# Altium PCB BeagleBone_Black_RevB4.PcbDoc (part 2 of 5)
Units mil, origin at the board's own origin, x right, y up, seen from the top; angles counter-clockwise.
Board outline 3401 x 2151 mil, 6 copper layers (TOP, LYR2_GND, LYR3, LYR4, LYR5_PWR, BOTTOM), stack 62 mil thick; 381 components, 310 nets, 1705 pads, 850 vias.
Unrouted connection lines stored in the file: 107.
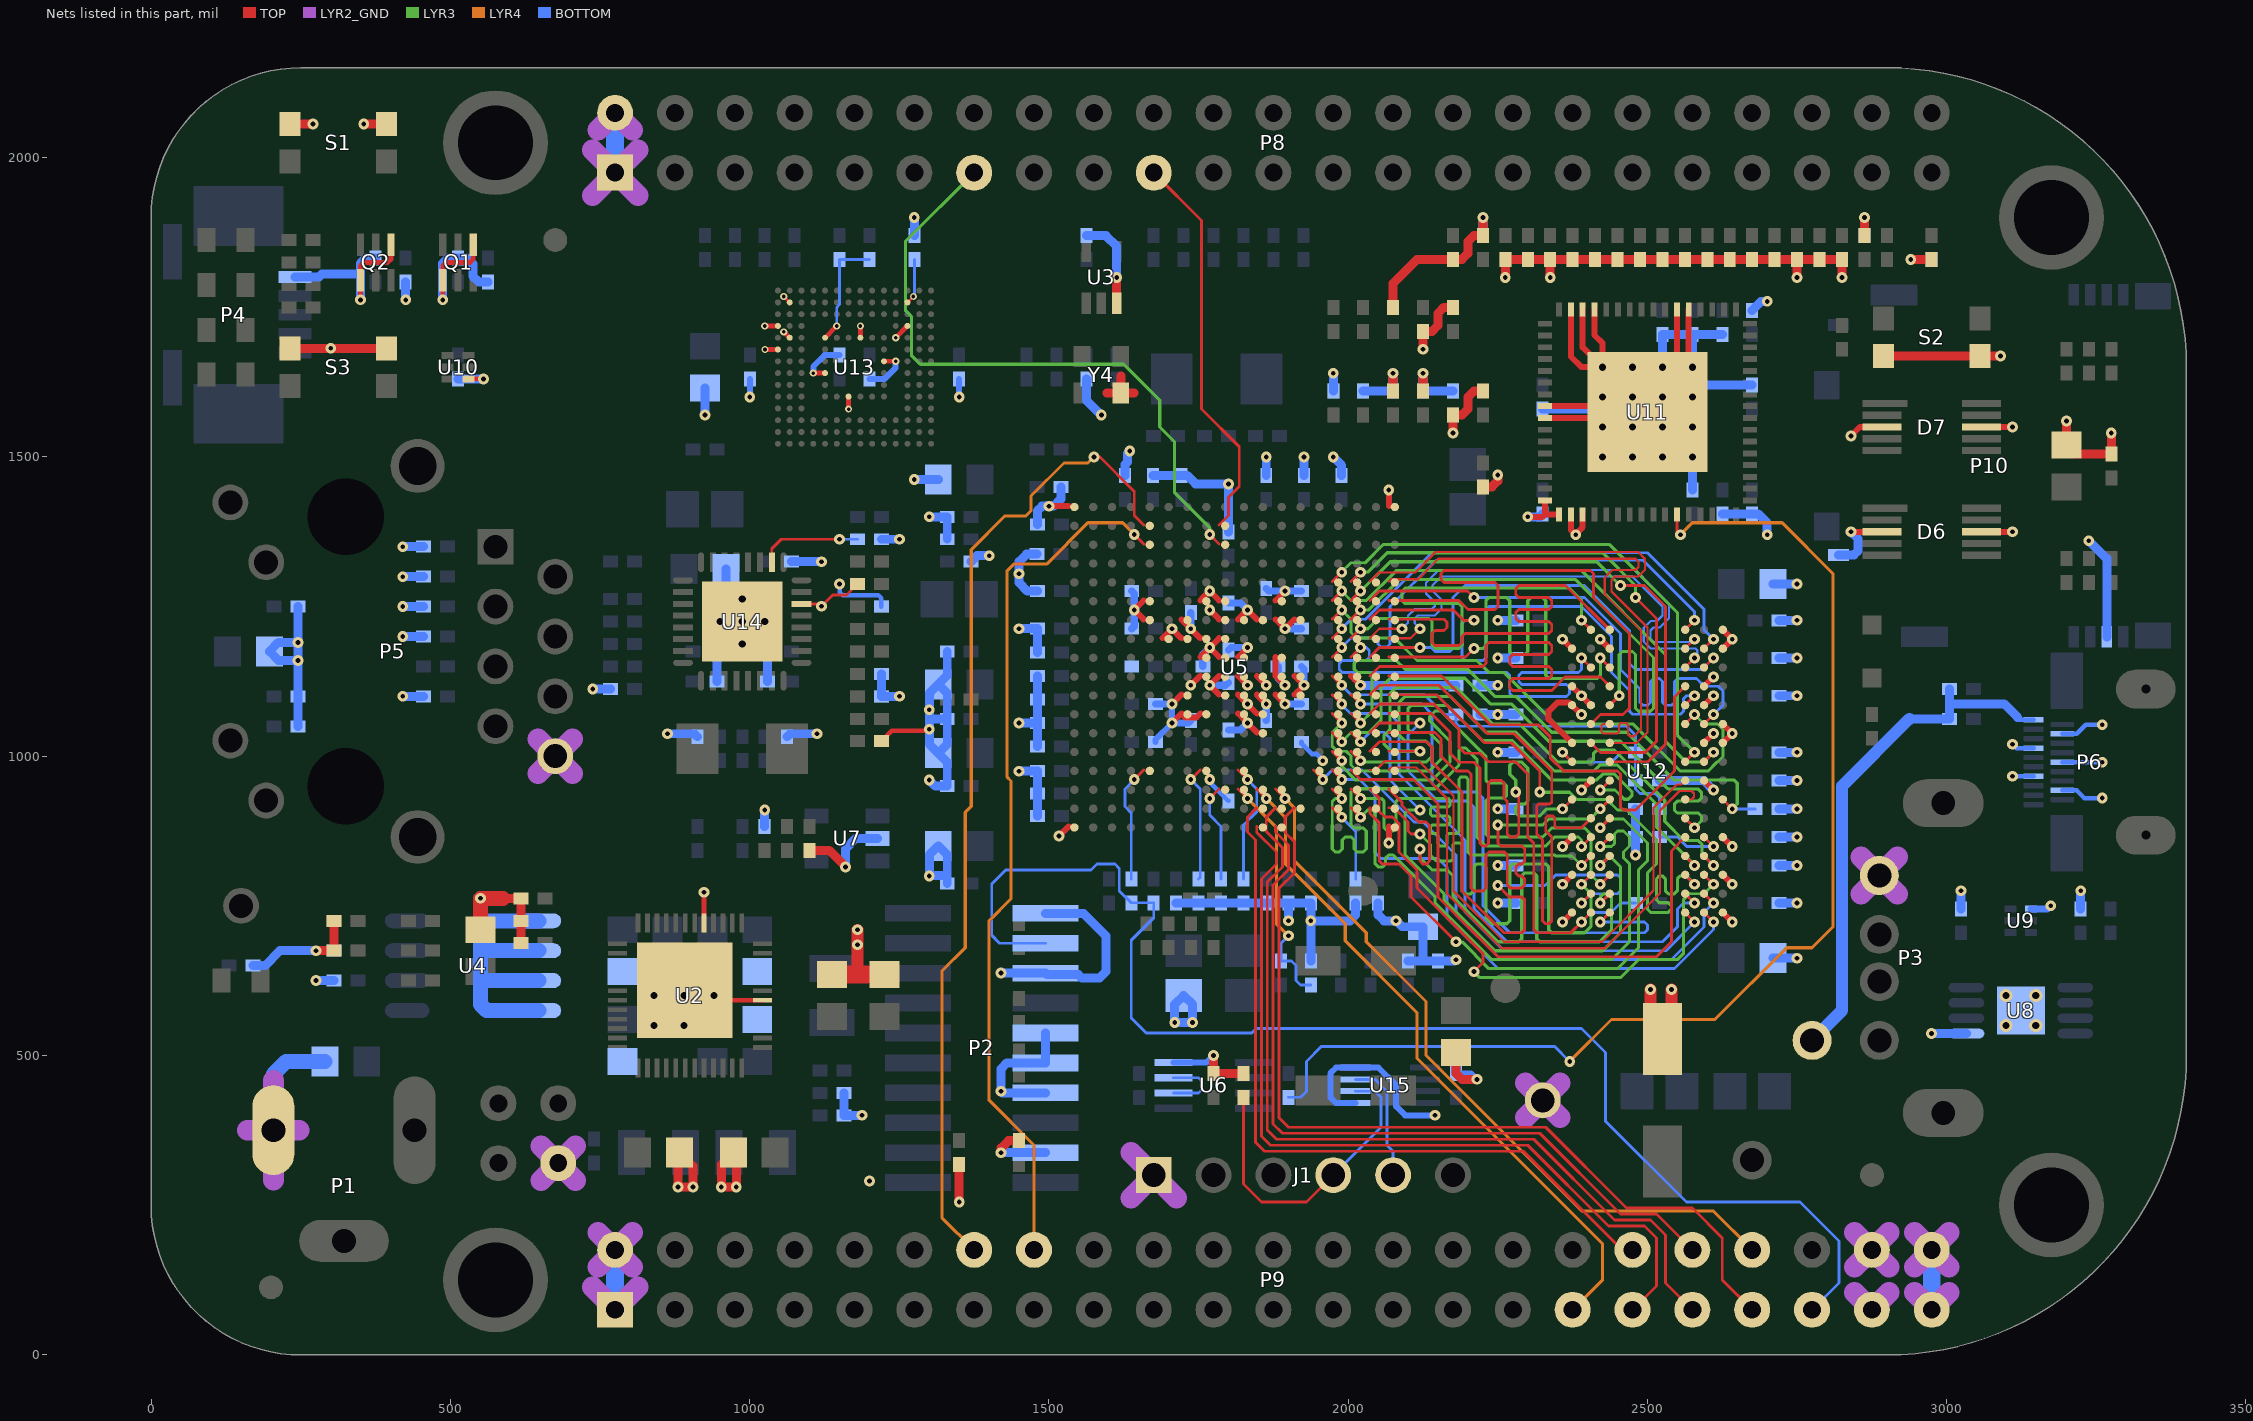
[diagram p6: the nets of this part, all layers, seen from the top]

## Part data
C1 C2 C118 C122 C126 C133: library part CAP_4.7uF_X5R_6.3V_10%_0603, "CAP CER 10UF 10V Y5V 0805"
C3: library part CAP_10uF_Y5V_10V_10%_0805, "CAP CER 0.1UF 6.3V 10% X5R 0402"
C4 C7 C8 C9 C10 C11 C12 C13 C14 C15 C39 C40 C55 C62 C77 C95 C96 C153: library part CAP_10uF_Y5V_10V_10%_0805, "CAP CER 10UF 10V Y5V 0805"
C16 C17 C18: library part CAP_2.2uF_X5R_6.3V_10%_0402, "CAP CER 2.2UF 6.3V 10% X5R 0402"
C19: library part CAP_2.2uF_X5R_6.3V_10%_0402, "CAP CER 470PF 50V 10% X7R 0402"
C20 C27 C28 C29 C30 C31 C33 C35 C36 C37 C38 C41 C42 C43 C44 C45 C46 C47 C48 C49 C50 C51 C52 C53 C54 C56 C57 C58 C59 C60 C61 C63 C64 C65 C66 C67 C68 C69 C70 C71 C72 C73 C74 C75 C76 C78 C79 C80 C81 C82 C83 C84 C85 C86 C87 C88 C92 C93 C94 C97 C98 C99 C100 C101 C102 C103 C105 C106 C131 C132 C135 C152 C154 C155 C158 C159: library part "CAP_0.1uF_X7R_16V_10% 0402", "CAP CER 0.1UF 6.3V 10% X5R 0402"
C21 C22 C25 C26: library part CAP_18PF_COG_50V_5%_0402, "CAP CER 18PF 50V 5% NP0 0402"
C24 C89 C90 C91 C104 C134: library part CAP_1.0UF_X5R_10V_10%_0402, "CAP CER 1UF 10V 10% X5R 0402"
C32: library part CAP_0.001_X7R_50V_5%_0402, "CAP CER 1000PF 16V 10% X7R 0402"
C34: library part "CAP SMD", "CAP ALUM 100UF 6.3V 20% SMD"
C107 C108 C109 C110 C111 C112 C113 C114 C115 C116 C117 C119 C120 C121 C124: library part CAP_0.01uf_X7R_16V_10%_0402, "CAP CER 0.1UF 6.3V 10% X5R 0402"
C123: library part "CAP SMD", "CAP CER 1000PF 16V 10% X7R 0402"
C125 C144 C146 C148 C151: library part "CAP SMD", "CAP CER 2.2UF 6.3V 10% X5R 0402"
C127 C128 C129 C130 C145 C147 C149 C150: library part "CAP SMD", "CAP CER 0.1UF 6.3V 10% X5R 0402"
C136: library part 470pF/5%/50V/C0G/0603_0, "CAP CER 470PF 50V 10% X7R 0402"
C137 C138 C139 C140: library part CAP_0402_100pF_COG_50V, "CAP CER 15PF 50V 5% NP0 0402"
C141: library part CAP_0402_0.1uf_X5R_10V, "CAP CER 0.022UF 10V 10% X7R 0402"
C142 C143: library part CAP_30PF_COG_50V_5%_0402, "CAP CER 30PF 50V 5% NP0 0402"
C156 C157 C160 C161 C162 C163 C164 C165 C166 C167 C168 C169 C170 C171 C172 C173: library part "CAP SMD", "CAP CER 47PF 50V 5% NP0 0402"
D1 D2 D3 D4 D5: library part LED_LTST-C150GKT, "LED GREEN CLEAR 0805 SMD"
D6 D7: library part 32CTQ030/TO_1, "DIODE ESD PROT HDMI 10TSSOP"
D8: library part Zener, "DIODE SCHOTTKY 40V 120MA SOD323"
FB1 FB2 FB3 FB4 FB7: library part FER_180_200_0, "FERRITE 800MA 150 OHM 0805 SMD"
FB5: library part IND, "FERRITE 800MA 150 OHM 0805 SMD"
FB8: library part FER_180_200_0, "RES .10 OHM 1/8W 5% 0805"
J1: library part HDR_6x1, "CONN HEADER 6POS, VERTICAL,  .100 STR TIN"
L1: library part IND_2.2uH_2.6A_10%_SMD, "Inductor 2.2uH smt 2.6A, 58 milliohm"
L2 L3: library part IND_2.2uH_2.6A_10%_SMD, "INDUCTOR 2.2UH 20% 1300MA 1008"
P1: library part Power_Jack, "CONN PWR JACK 2.1X5.5MM HIGH CUR"
P2: library part HDR_10x2_CJTAG, "Dual Line Header 10x2pin Tin"
P3: library part CONN_54819-0578_2, "CONN RCPT USB TYPE A R/A PCB"
P4: library part MINI-USB-AB-SOCKET, "CONN RCPT USB MINI B R/A SMD"
P5: library part CONN_RJ45_MAG_WE_0, "WE-RJ45 LAN Transformer"
P6: library part "Micro HDMI", "CONN HDMI RECPT 19POS SMT R/A"
P8 P9: library part HDR_46_F_2_0.1_0.1, "CONN HEADER FMAL 46PS.1\" DL GOLD"
P10: library part microSD_CONN_2, "CONN MICRO SD R/A PUSH-PUSH SMD"
Q1 Q2: library part RN1907, "TRANS PREBIASED DUAL NPN SOT363"
R1 R55 R56 R57 R58 R59 R60 R61 R62 R63 R64 R65 R66 R67 R68 R69 R70 R76 R77 R78 R79 R80 R81 R82 R83 R84 R85 R86 R87 R88 R89 R90 R91 R92 R93 R94 R95 R165: library part RES_100K_1/16W_1%_0402, "RES 100K OHM 1/16W 1% 0402 SMD"
R3 R4 R119: library part RES_1.5K_1/16W_5%_0402, "RES 1.50K OHM 1/16W 1% 0402 SMD"
R5 R6 R7 R8 R9 R19 R20 R27 R49 R50 R51 R137 R140 R142 R159 R160 R161 R162: library part RES_0_1/16W_1%_0402, "RES 0.0 OHM 1/16W 0402 SMD"
R10: library part RES_470_1/10W_5%_0402, "RES 470K OHM 1/16W 1% 0402 SMD"
R11: library part RES_470_1/10W_5%_0402, "RES 280K OHM 1/16W 1% 0402 SMD"
R12 R71 R72 R73 R74: library part RES_470_1/10W_5%_0402, "RES 820 OHM 1/10W 5% 0402 SMD"
R14 R54 R96 R98 R100 R101 R102 R103 R104 R105 R106 R107 R108 R109 R110 R111 R115 R116 R117 R118 R135 R145 R150 R151 R152 R153 R154 R155 R156 R157: library part RES_10K_1/16W_1%_0402, "RES 10K OHM 1/16W 5% 0402 SMD"
R17: library part RES_1M_1/16W_1%_0402, "Resistor 1Mohm 1/16W 1% 0402"
R18 R21 R28 R45 R46 R47 R48 R167: library part RES_33_0402, "RES 33 OHM 1/16W 5% 0402 SMD"
R22 R120 R121 R122 R123: library part RES_4.7K_0402, "RES 49.9 OHM 1/16W 1% 0402 SMD"
R23 R24 R25: library part RES_4.7K_0402, "RES 4.75K 1/16W 1% 0402 SMD"
R26 R163 R164: library part RES_4.75K_1/16W_1%_0402, "RES 4.75K OHM 1/16W 1% 0402 SMD"
R52 R53 R148 R158: library part "RES SMD", "RES 10K OHM 1/16W 5% 0402 SMD"
R75: library part "RES SMD", "RES 100 OHM 1/10W 5% 0402 SMD"
R97 R112 R113 R114: library part RES_10K_1/16W_1%_0402, "RES 1.50K OHM 1/16W 1% 0402 SMD"
R99: library part RES_10K_1/16W_1%_0402, "RES 240 OHM 1/10W 5% 0402 SMD"
R124: library part RES_10K_1/16W_1%_0402, "Resistor 10Kohm 1/16W 1% 0402"
R125 R126 R129 R134 R138: library part 100-1/10W-1%-0603_4, "RES 100 OHM 1/10W 5% 0402 SMD"
R127 R128 R131 R133 R139: library part RES_100_1/10W_5%_0402, "RES 100 OHM 1/10W 5% 0402 SMD"
R130 R132: library part RES_470_1/10W_5%_0402, "RES 470 OHM 1/10W 5% 0402 SMD"
R136: library part RES_0.1_0805, "RES .10 OHM 1/8W 5% 0805"
R141: library part RES_1M_1/16W_1%_0402, "RES 1M OHM 1/16W 1% 0402 SMD"
R143: library part RES_10K_1/16W_1%_0402, "RES 10 OHM 1/16W 1% 0402 SMD"
R144: library part RES_12.1K_1/16W_1%_0402, "RES 12.1K OHM 1/16W 1% 0402 SMD"
R146 R147: library part "RES SMD", "RES 1.50K OHM 1/16W 1% 0402 SMD"
R149: library part "RES SMD", "RES 0.0 OHM 1/16W 0402 SMD"
R166: library part "RES SMD", "RES 27.0K OHM 1/16W 1% 0402 SMD"
RT1: library part PTC, "POLYSWITCH PTC RESET 0.1A"
S1 S2 S3: library part KMR2, "Microminiature Tact Switch for SMT"
U2: library part PWR_TPS65217_2, "IC PMIC BATT PWR SYST 48VQFN"
U3: "IC INVERTER SINGLE 1INPUT SC705"
U4: "IC LDO VOLT REG 500MA 8-SOIC"
U5: "SubArctic Cortex A8 Processor 15x15"
U6: "SINGLE  POSITIVE-EDGE-TRIGGERED  D-TYPE  FLIP-FLOP WITH  CLEAR  AND  PRESET"
U7: "IC EEPROM 32KBIT 400KHZ SOT23-5"
U8: library part TPS2061_0, "IC 1.5A PWR DIST SWITCH 8-SOIC"
U9 U10: library part PROT_TPD4S012, "ESD 4channel USB Interface"
U11: "IC HDMI TRANSMITTER 64-HVQFN"
U12: library part MT41K256M16HA, "DDR2 SDRAM 2Gb (256Mx8)"
U13: library part eMMC, "Flash Card 2G-byte 3.3V MultiMedia Card 153-Pin WFBGA"
U14: library part "LAN8710 QFN32_1", "Ethernet ICs 10/100 Ethernet XCVR w/HPAutoMDIX FlexPwr"
U15: "IC BUFF/DVR TRI-ST DL 8VSSOP"
Y1: library part CRYS_32_768KHz_SMD32, "CRYSTAL 32.768KHZ 12.5PF SMD"
Y2: library part CRYS_24MHz_SCC, "CRYSTAL 24.000MHZ 18PF SMD"
Y3: library part "Suntsu ITEMP 25MHz _0.005% 20pf"
Y4: library part ASDMB

## Free pads (board coordinates)
  round 40 all layers, no hole mask+40: 1(200,112.5) 1(675,1862.5) 1(2875,300)

## Via types
v1: diameter 18, hole 8, TOP to BOTTOM, tented both sides, 793 vias
v2: diameter 22, hole 12, TOP to BOTTOM, tented both sides, 30 vias
v3: diameter 12, hole 6, TOP to BOTTOM, tented both sides, 27 vias

## Nets (pads, with @x,y where several pads share a name; then routed paths per layer and width w, separated by ;. In a path a pad name is that pad's centre, name@x,y a point inside that pad or via, vN(x,y) a via of type N, cw(c..) or ccw(c..) an arc to the next point about the centre after c; other vN are vias at no path point)
12M_LOOP: U6.2 U6.3 | length 113.7
  BOTTOM w4.75: U6.2@1708,437.2 1750,437.2 1755,442.2 1755,457.8 1750,462.8 U6.3@1708,462.8
12MHZ: R21.2 U11.27 | length 2002.7
  TOP w4.75: U11.27@2549.21,1403.74 2549.21,1375.79 v1(2555,1370)
  LYR4 w5.25: v1(2370,490) 2440,560 2612.5,560 2732.5,680 2775,680 2810,715 2810,1305 2725,1390 2575,1390 v1(2555,1370)
  BOTTOM w4.75: R21.2@1900,430 1920,430 1930,440 1930,490 1955,515 2345,515 v1(2370,490)
AIN0: P9.39 U5.B6 | length 1506.2
  TOP w4.75: 1910.24,913.78 1894.51,898.05 1894.51,872.49 1910,857 1910,805 1884.26,779.26 1884.26,395.74 1900,380 2330,380 2465,245 2575,245 2625,195 2625,125 P9.39@2675,75
AIN1: P9.40 U5.C7 | length 1229
  TOP w4.75: 1878.74,945.28 1884.48,939.53 v1(1894.5,929.5)
  LYR4 w5.25: v1(1894.5,929.5) 1910,914 1910,825 2019.01,715.99 2019.12,715.99 2030,705.11 2030,690 2130,590 2130,500 2390,240 2610,240 P9.40@2675,175
AIN2: P9.37 U5.B7 | length 1448.2
  TOP w4.75: 1878.74,913.78 1862.97,898.01 1862.97,874.03 1890,847 1890,815 1864.76,789.76 1864.76,375.24 1880,360 2310,360 2445,225 2505,225 2530,200 2530,120 P9.37@2575,75
AIN3: P9.38 U5.A7 | length 1304
  TOP w4.75: 1878.74,882.28 1878.74,873.26 1900.25,851.75 1900.25,810.25 1874.51,784.51 1874.51,385.49 1890,370 2320,370 2455,235 2515,235 P9.38@2575,175
AIN4: P9.33 U5.C8 | length 1130.3
  TOP w4.75: 1847.24,945.26 v1(1863,929.5)
  LYR4 w5.25: v1(1863,929.5) 1895,897.5 1895,820 1995,720 1995,691.51 2115,571.51 2115,495 2425,185 2425,125 P9.33@2375,75
AIN5: P9.36 U5.B8 | length 1275.4
  TOP w4.75: 1847.24,913.78 1831.51,898.05 1831.51,873.49 1845,860 1845,355 1860,340 2292.86,340 2457.86,175 P9.36@2475,175
AIN6: P9.35 U5.A8 | length 1408.2
  TOP w4.75: 1847.24,882.28 1847.24,872.76 1880,840 1880,820 1855,795 1855,365 1870,350 2300,350 2435,215 2495,215 2515,195 2515,115 P9.35@2475,75
AIN7: R163.2 R164.1 U5.C9 | length 409.1
  TOP w4.75: 1815.75,945.28 v1(1831.5,929.5)
  LYR4 w5.25: v1(1831.5,929.5) 1880,881 1880,720 v1(1900,700)
  BOTTOM w4.75: v1(1900,700) 1887.5,687.5 R163.2@1887.5,657.5 1905,657.5 1912.5,650 1912.5,625 1920,617.5 R164.1@1937.5,617.5
B_UART0_RX: J1.4 R165.1 U15.2 | length 536.4
  TOP w4.75: R165.1@1825,430 1825,285 1855,255 1930,255 J1.4@1975,300
  BOTTOM w4.75: J1.4@1975,300 2055,380 2055,430 2044.8,440.2 U15.2@2012,440.2
B_UART0_TX: J1.5 U15.3 | length 205.3
  BOTTOM w4.75: U15.3@2012,459.8 2045.2,459.8 2065,440 2065,350 2075,340 J1.5@2075,300
CAP_VBB_MPU: C91.1 U5.C10 | length 164.7
  TOP w4.75: v1(1768.5,929.5) 1768.98,930 1784.25,945.28
  BOTTOM w4.75: v1(1768.5,929.5) 1768.5,901.5 1787.5,882.5 C91.1@1787.5,795
CAP_VDD_SRAM_CORE: C89.1 U5.D9 | length 204
  TOP w4.75: 1815.75,976.77 v1(1831.5,961)
  BOTTOM w4.75: C89.1@1825,795 1825,885 1847.25,907.25 1847.25,945.25 v1(1831.5,961)
CAP_VDD_SRAM_MPU: C90.1 U5.D11 | length 196
  TOP w4.75: v1(1737,961) 1752.76,976.77
  BOTTOM w4.75: v1(1737,961) 1752.76,945.24 1752.76,797.76 C90.1@1750,795
CLKOUT2: P2.18 P9.41 R19.2 R20.1 | length 2266.5
  BOTTOM w4.75: P2.18@1494,687.5 1417.5,687.5 1404.26,700.74 1404.26,786.52 1427.74,810 1570,810 1580,820 1610,820 1617.5,812.5 1617.5,775 R19.2@1637.5,755 R20.1@1675,755 1675,730 1637.5,692.5 1637.5,562.5 1662.5,537.5 1838.71,537.5 1846.21,545 2390,545 2430,505 2430,390 2565,255 2755,255 2820,190 2820,120 P9.41@2775,75
CLKOUT_SRC: R19.1 U5.D14 | length 199.3
  TOP w4.75: v1(1642.5,961) 1658.27,976.77
  BOTTOM w4.75: R19.1@1637.5,795 1637.5,905 1626.74,915.76 1626.74,945.24 v1(1642.5,961)
CRS: R139.2 U14.14 | length 110.4
  TOP w4.75: U14.14@1086.5,1254.55 1116.04,1254.55 v1(1120,1250.59) 1138.67,1269.26 1161.76,1269.26 R139.2@1180,1287.5
DDR_A0: U5.F3 U12.N3 | length 920.1
  TOP w4.75: 2004.72,1039.76 2010.47,1034.02 v1(2020.5,1024)
  LYR3 w5.25: v1(2120,910) 2100,910 2095,905 2095,835 2160,770 2160,760 2245,675 2425,675 2455,705 2455,815 2440,830 2433.75,830 v1(2421.25,817.5)
  BOTTOM w4.75: v1(2020.5,1024) 2036.5,1040 2060,1040 2070,1030 2070,960 v1(2120,910)
DDR_A1: U5.H1 U12.P7 | length 924.8
  TOP w4.75: 2067.72,1102.76 2147.24,1102.76 2227.5,1022.5 2272.5,1022.5 2320,975 v1(2320,940)
  LYR3 w4.75: 2370,939.75 2381.99,927.76 2428.1,927.76
  LYR3 w5.25: v1(2320,940) 2320.25,939.75 2370,939.75 ; 2428.1,927.76 2432.24,927.76 2450,910 2465,910 2515,860 2515,820 2500,805 2500,743.99 2505,738.99 2535,738.99 2540,743.99 2540,750 2535,755 2520,755 2515,760 2515,795 2520,800 2525,800 2530,795 2530,775 2535,770 2545,770 2550,775 2550,795 2555,800 2564.75,800 v1(2578.75,786)
DDR_A2: U5.E4 U12.P3 | length 919.5
  TOP w4.75: 1973.23,1008.27 v1(1989,992.5)
  LYR3 w4.75: 2405.51,869.49 2405.51,801.74 v1(2421.25,786)
  LYR3 w5.25: v1(1989,992.5) 1989,983.61 2012.61,960 2140,960 2170,990 2170,1025 2136.04,1058.96 2136.04,1066.04 2145.75,1075.75 2154.25,1075.75 2230,1000 2230,960 2235,955 2260,955 2264.01,950.99 2264.01,934.01 2260,930 2235,930 2230,925 2230,870 2235,865 2325,865 2340,880 2395,880 2405.51,869.49
DDR_A3: U5.C3 U12.N2 | length 921.3
  TOP w4.75: 2004.72,945.28 v1(2020.5,929.5)
  LYR3 w4.75: 2346.76,833.24 2374.01,833.24 v1(2389.75,817.5)
  LYR3 w5.25: v1(2020.5,929.5) 2055,929.5 2060,924.5 2060,880 2065,875 2075,875 2080,880 2080,924.5 2085,929.5 2167,929.5 2170,926.5 2170,918 2167,915 2140.5,915 2137.5,912 2137.5,903 2140.5,900 2167,900 2170,897 2170,888 2167,885 2140.5,885 2137.5,882 2137.5,873.99 2140.5,870.99 2147,870.99 2150,867.99 2150,853 2153,850 2162,850 2165,853 2165,867.99 2168,870.99 2182,870.99 2185,873.99 2185,962 2188,965 2197,965 2200,962 2200,840 2205,835 2345,835 2346.76,833.24
DDR_A4: U5.C2 U12.P8 | length 918.9
  TOP w4.75: 2036.22,945.28 2051.85,929.65 2051.85,907.55 2061.25,898.15 2073.95,898.15 2085,887.1 2085,840 2115,810 2115,780 2225,670 2225,655 v1(2210,640)
  LYR3 w4.75: 2570.24,770.24 2594.49,770.24 v1(2610.25,786)
  LYR3 w5.25: v1(2210,640) 2220,630 2455,630 2485,660 2550,660 2560,670 2560,760 2570.24,770.24
DDR_A5: U5.B1 U12.P2 | length 920.5
  TOP w4.75: 2067.72,913.78 2076.22,913.78 2100,890 2100,875 2105,870 v1(2120,870)
  LYR3 w4.75: v1(2389.75,786) 2405.49,770.26 2405.49,715.49 2405,715
  LYR3 w5.25: v1(2120,870) 2137.5,852.5 2137.5,834.75 2147.25,825 2172,825 2175,828 2175,852 2178,855 2187,855 2190,852 2190,775 2195,770 2205,770 2210,775 2210,815 2215,820 2225,820 2230,815 2230,730 2240,720 2265,720 2270,725 2270,815 2275,820 2330,820 2335,815 2335,710 2340,705 2395,705 2405,715
DDR_A6: U5.D5 U12.R8 | length 924.7
  TOP w4.75: 1941.73,976.77 v1(1957.5,961)
  BOTTOM w4.75: v1(1957.5,961) 1973.24,976.74 2023.26,976.74 2110,890 2125,890 2180,835 2180,735 2255,660 2540,660 2594.49,714.49 2594.49,738.74 v1(2610.25,754.5)
DDR_A7: U5.E2 U12.R2 | length 925.5
  TOP w4.75: 2036.22,1008.27 2051.98,1024.03 2130.97,1024.03 2140,1015 2140,990 2190,940 2190,775 2260,705 2290,705 2295,710 2295,760 2290,765 2269.01,765 v1(2250,784.01)
  BOTTOM w4.75: v1(2250,784.01) 2329.01,784.01 2346.74,801.74 2450,801.74 2455,796.74 2455,775.24 2450,770.24 2405.49,770.24 v1(2389.75,754.5)
DDR_A8: U5.D4 U12.T8 | length 919.8
  TOP w4.75: 1973.23,976.77 v1(1989,961)
  BOTTOM w4.75: v1(1989,961) 2019,961 2045,935 2045,839.01 2054.75,829.26 2150,829.26 2165,814.26 2165,730 2250,645 2545,645 2610.25,710.25 v1(2610.25,723)
DDR_A9: U5.C1 U12.R3 | length 924.4
  TOP w4.75: 2067.72,945.28 2090,923 2090,917.74 2117.74,890 2130,890 2135.74,884.26 2135.74,824.61 2131.13,820 2124.61,820 2120,824.61 v1(2120,845)
  LYR3 w5.25: v1(2120,845) 2120,830 2140,810 2165,810 2175,800 2175,765 2250,690 2285,690 2290,695 2290,800 2295,805 2310,805 2315,800 2315,695 2320,690 2420,690 2440,710 2440,765 2435,770 2426.25,770 2421.25,765 v1(2421.25,754.5)
DDR_A10: U5.F4 U12.L7 | length 920.8
  TOP w4.75: 1973.23,1039.76 1978.98,1034.02 v1(1989,1024)
  LYR3 w4.75: v1(1989,1024) 2004.76,1039.76 2034.76,1039.76
  LYR3 w5.25: 2034.76,1039.76 2055,1060 2055,1115 2070.25,1130.25 2194.75,1130.25 2237.5,1087.5 2272.5,1087.5 2335,1025 2455,1025 2535,945 2585,945 2590,940 2590,930 2585,925 2550,925 2545,920 2545,910 2550,905 2585,905 2590,900 2590,891.75 v1(2578.75,880.5)
DDR_A11: U5.F2 U12.R7 | length 919.5
  TOP w4.75: 2036.22,1039.76 2051.99,1055.53 v1(2120,1055.5)
  BOTTOM w4.75: v1(2120,1055.5) 2100,1035.5 2100,975 2150,925 2200,925 2210,915 2210,745 2265,690 2525,690 2550,715 2550,744.5 2560,754.5 v1(2578.75,754.5)
DDR_A12: U5.E3 U12.N7 | length 926
  TOP w4.75: 2004.72,1008.27 2010.47,1002.53 v1(2020.5,992.5)
  LYR3 w5.25: v1(2020.5,992.5) 2023,990 2130,990 2140,1000 2140,1015 2130,1025 2095,1025 2085,1035 2085,1090 2095,1100 2170,1100 2230,1040 2280,1040 2344.75,975.25 2410.25,975.25 2420,985 2450,985 2515,920 2515,881.25 v1(2578.75,817.5)
DDR_A13: U5.H3 U12.T3 | length 923.7
  TOP w4.75: 2004.72,1102.76 2010.47,1097.02 v1(2020.5,1087)
  BOTTOM w4.75: v1(2020.5,1087) 2123,1087 2140,1070 2140,955 2155,940 2215,940 2225,930 2225,750 2270,705 2495,705 2500,710 2500,718 2495,723 v1(2421.25,723)
DDR_A14: U5.H4 U12.T7 | length 923.3
  TOP w4.75: 1973.23,1102.76 1978.98,1097.02 v1(1989,1087)
  BOTTOM w4.75: v1(1989,1087) 1989,1086 2003.76,1071.24 2068.76,1071.24 2085,1055 2085,970 2195,860 2195,740 2260,675 2530.75,675 v1(2578.75,723)
DDR_A15: U5.D3 U12.M7 | length 949.8
  TOP w4.75: 2004.72,976.77 2020.58,960.91 2109.09,960.91 2150,920 2150,765 2250,665 2515,665 2540,690 2540,841.75 U12.M7@2563,864.75
DDR_BA0: U5.C4 U12.M2 | length 927.1
  TOP w4.75: 1973.23,945.28 1978.97,939.53 v1(1989,929.5)
  LYR3 w4.75: 1973.26,885 1973.26,924.5 1978.26,929.5 v1(1989,929.5) ; 2004.74,885 2004.74,934.77
  LYR3 w5.25: 1973.26,885 1973.26,844.9 1978.16,840 1985.1,840 1990,844.9 1990,860 1995,865 2005,865 2010,860 2010,845 2015,840 2025,840 2030,845 2030,875 2025,880 2009.74,880 2004.74,885 ; 2004.74,934.77 2004.74,940.49 2009.74,945.49 2145.49,945.49 2185,985 2185,1010 2188.79,1013.79 2196.21,1013.79 2215,995 2215,865 2230,850 2330,850 2345,865 2384.75,865 2389.75,860 v1(2389.75,849)
DDR_BA1: U5.E1 U12.N8 | length 926.3
  TOP w4.75: 2067.72,1008.27 v1(2120,1008.27)
  LYR3 w5.25: v1(2120,1008.27) 2071.73,1008.27 2060,1020 2060,1035 2070,1045 2070,1105 2080,1115 2180,1115 2241.49,1053.51 2286.49,1053.51 2350,990 2405,990 2410,995 2410,1005 2415,1010 2445,1010 2528.88,926.12 2528.88,891.12 2561.13,858.87 2585,858.87 2591.38,852.49 2591.38,836.37 v1(2610.25,817.5)
DDR_BA2: U5.B3 U12.M3 | length 927.2
  TOP w4.75: 2004.72,913.78 v1(2020.5,898)
  LYR3 w5.25: v1(2020.5,898) 2032.5,910 2040,910 2045,905 2045,820 2050,815 2057.5,815 2062.5,820 2062.5,830 2067.5,835 2075,835 2145,765 2145,755 2240,660 2440,660 2470,690 2470,820 2460,830 2460,840 2470,850 2470,865 2460,875 2450,875 2445,870 2445,854 2440,849 v1(2421.25,849)
DDR_CASN: U5.F1 U12.K3 | length 943.2
  TOP w4.75: 2067.72,1039.76 2145,1039.76 2155,1029.76 2155,1000 2180,975 2200,975 2205,970 2205,780 2210,775 2225,775 2230,780 2230,835 2235,840 2260.74,840 2265.74,835 2265.74,785 2270.74,780 2290,780 2295,785 2295,795 2290,800 2285,800 2280,805 2280,815 2285,820 2290,820 2295,825 2295,845 2290,850 2255,850 2250,855 v1(2250,885) ; v1(2421.25,912) U12.K3@2437,927.75
  LYR3 w5.25: v1(2250,885) 2325,885 2335,895 2404.25,895 v1(2421.25,912)
DDR_CKE: R96.2 U5.G3 U12.K9 | length 965.7
  TOP w4.75: 2004.72,1071.26 2010.47,1065.52 v1(2020.5,1055.5)
  LYR3 w5.25: v1(2020.5,1055.5) 2040,1075 2040,1135 2035,1140 2015,1140 2010,1145 2010,1155 2015,1160 2080,1160 2095,1145 2200,1145 2245,1100 2280,1100 2340,1040 2465,1040 2545,960 2645,960 2650,955 2650,920.25 v1(2641.75,912)
  BOTTOM w4.75: v1(2641.75,912) R96.2@2680,912
DDR_CLK: U5.D2 U12.J7 | length 944.2
  TOP w3.75: 2036.22,976.77 2046.32,976.77 2061.55,992 2118,992 2176,934 2176,774.56 2260.56,690 2424.44,690 2510,775.56 2510,914 2548.78,952.78 2556.53,952.78 U12.J7@2563,959.25
DDR_CLKN: U5.D1 U12.K7 | length 944.2
  TOP w3.75: 2067.72,976.77 2071.95,981 2113.44,981 2165,929.44 2165,770 2256,679 2429,679 2521,771 2521,909.44 2553.34,941.78 2573.65,941.78 2577.76,937.67 2577.76,931.86 2573.65,927.75 U12.K7@2563,927.75
DDR_CSN: U5.H2 U12.L2 | length 940.2
  TOP w4.75: 2036.22,1102.76 2051.98,1118.52 2151.48,1118.52 2232.5,1037.5 2277.5,1037.5 2340,975 2340,923 2337,920 2318,920 2315,917 2315,869.75 2324.75,860 2324.75,725 2329.75,720 2335,720 2340,725 2340,865 2330,875 2330,897 2333,900 2342,900 2345,897 2345,883.38 2348,880.38 2389.63,880.38 U12.L2@2405.5,896.25
DDR_D0: U5.M3 U12.E3 | length 896.1
  TOP w4.75: 2004.72,1228.74 2009.12,1233.14 v1(2020.5,1244.5)
  LYR3 w5.25: v1(2020.5,1244.5) 2034.5,1244.5 2085,1295 2380,1295 2510,1165 2510,1080 2505,1075 2485,1075 2480,1080 2480,1170 2475,1175 2457.75,1175 2452.75,1170 v1(2452.75,1101)
DDR_D1: U5.M4 U12.F7 | length 896.4
  TOP w4.75: 1973.23,1228.74 1977.63,1233.14 v1(1989,1244.5)
  LYR3 w4.75: v1(1989,1244.5) 2004.76,1228.74 2004.76,1206.48 2014,1197.24 2077.76,1197.24 ; v1(2578.75,1069.5) 2594.49,1053.76 2616.75,1053.76 2625.99,1044.52 2625.99,1013.37 2626.01,999.65 2616.87,990.51
  LYR3 w5.25: 2077.76,1197.24 2115,1160 2215,1160 2235,1140 2260,1140 2346.49,1053.51 2476.49,1053.51 2554.75,975.25 2601.61,975.25 2616.87,990.51
DDR_D2: U5.N1 U12.F2 | length 918.8
  TOP w4.75: 2067.72,1260.24 2184.76,1260.24 2200,1245 2245,1245 2250,1250 2250,1285 2245,1290 2160,1290 2155,1295 2155,1305 2160,1310 2405,1310 2410,1305 2410,1265 2469.75,1205.25 2469.75,1080 2459.37,1069.62 2440.1,1069.62 2440,1069.52 2421.27,1069.52 U12.F2@2405.5,1053.75